# KiCad board element_foxtrot.kicad_pcb (continued)
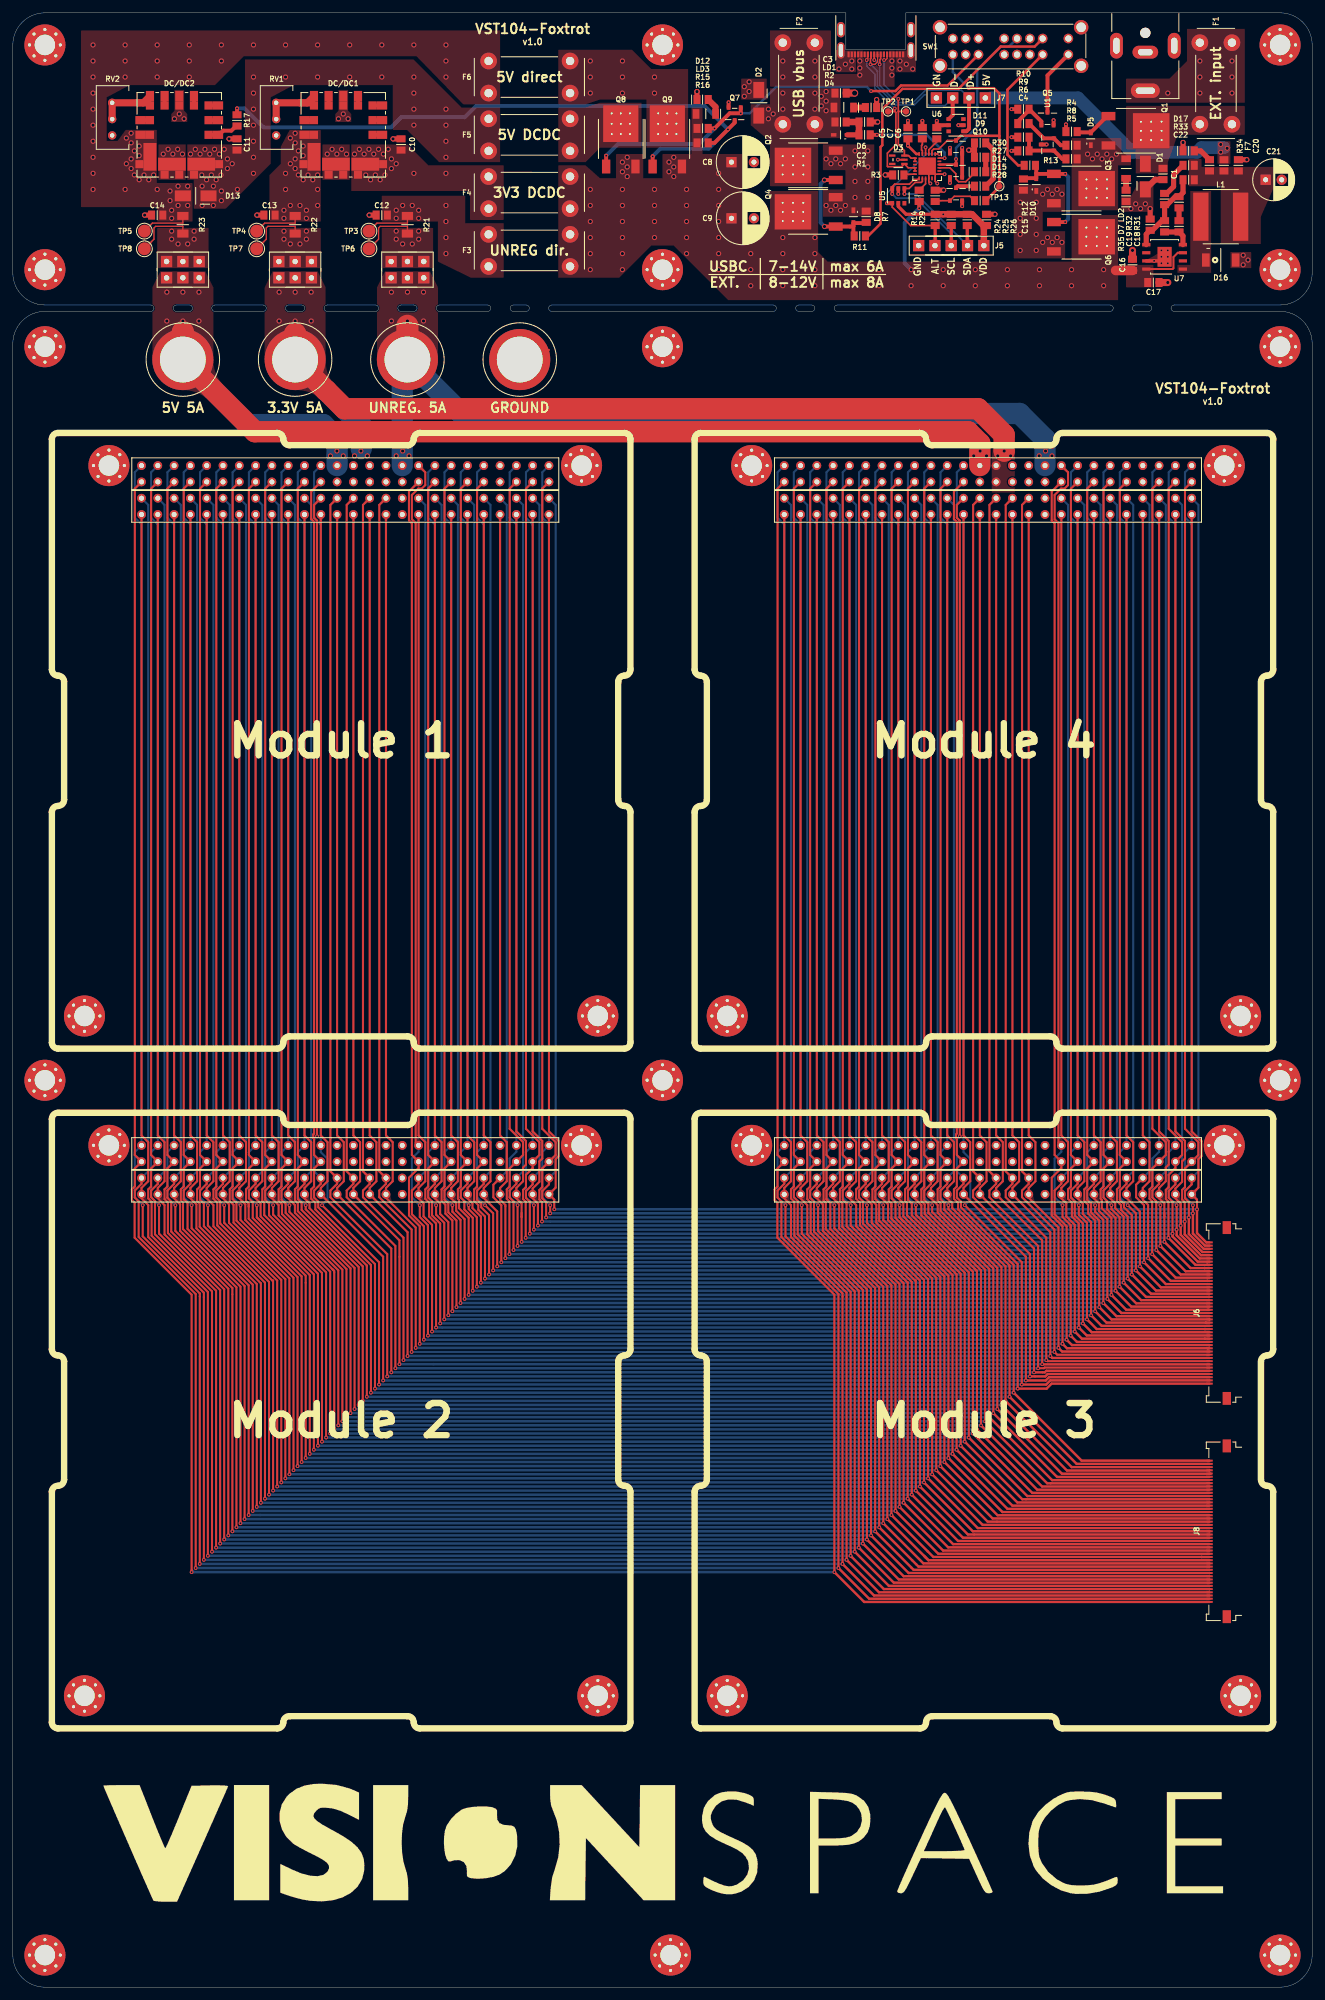
[diagram p0: board, top side]
## Copper pours and planes (outline as drawn; the poured copper is in the pictures) (continued)
/H1-30 on Top: 55.78,125.12 55.78,125.14 55.79,125.17 55.8,125.2 55.83,125.24 55.86,125.28 55.89,125.32 55.93,125.37 55.98,125.42 56.03,125.48 56.09,125.54 55.61,126.37 55.14,125.54 55.2,125.48 55.25,125.42 55.3,125.37 55.34,125.32 55.37,125.28 55.4,125.24 55.43,125.2 55.44,125.17 55.45,125.14 55.45,125.12
/H1-30 on Top: 54.84,230.9 54.91,230.96 54.97,231.02 55.05,231.07 55.12,231.11 55.19,231.14 55.27,231.17 55.35,231.2 55.44,231.21 55.52,231.22 55.61,231.22 55.86,232.15 54.93,231.9 54.93,231.81 54.92,231.73 54.91,231.64 54.88,231.56 54.85,231.48 54.82,231.41 54.78,231.34 54.73,231.26 54.67,231.2 54.61,231.13
/H1-30 on Top: 54.61,126.8 54.67,126.73 54.73,126.67 54.78,126.59 54.82,126.52 54.85,126.45 54.88,126.37 54.91,126.29 54.92,126.2 54.93,126.12 54.93,126.03 55.86,125.78 55.61,126.71 55.52,126.71 55.44,126.72 55.35,126.73 55.27,126.76 55.19,126.79 55.12,126.82 55.05,126.86 54.97,126.91 54.91,126.97 54.84,127.03
/H1-30 on Top: 155.95,125.12 155.95,125.14 155.96,125.17 155.97,125.2 156,125.24 156.03,125.28 156.06,125.32 156.1,125.37 156.15,125.42 156.2,125.48 156.26,125.54 155.78,126.37 155.31,125.54 155.37,125.48 155.42,125.42 155.47,125.37 155.51,125.32 155.54,125.28 155.57,125.24 155.6,125.2 155.61,125.17 155.62,125.14 155.62,125.12
/H1-31 on Top: 57.99,124.48 57.99,124.44 57.98,124.4 57.97,124.35 57.94,124.3 57.91,124.25 57.88,124.2 57.84,124.15 57.79,124.09 57.74,124.03 57.68,123.97 58.16,123.14 58.63,123.97 58.57,124.03 58.52,124.09 58.47,124.15 58.43,124.2 58.4,124.25 58.37,124.3 58.34,124.35 58.33,124.4 58.32,124.44 58.32,124.48
/H1-31 on Top: 58.32,228.11 58.32,228.2 58.33,228.29 58.34,228.37 58.37,228.45 58.4,228.53 58.43,228.61 58.47,228.68 58.52,228.75 58.57,228.81 58.63,228.88 58.16,229.71 57.68,228.88 57.74,228.81 57.79,228.75 57.84,228.68 57.88,228.61 57.91,228.53 57.94,228.45 57.97,228.37 57.98,228.29 57.99,228.2 57.99,228.11
/H1-31 on Top: 59.16,122.17 59.1,122.34 59.04,122.5 58.99,122.65 58.95,122.79 58.92,122.93 58.89,123.06 58.86,123.17 58.85,123.28 58.84,123.39 58.84,123.48 57.91,123.73 58.16,122.8 58.25,122.79 58.33,122.77 58.42,122.73 58.5,122.67 58.58,122.59 58.65,122.49 58.72,122.38 58.8,122.25 58.86,122.1 58.93,121.94
/H1-31 on Top: 158.49,228.11 158.49,228.2 158.5,228.29 158.51,228.37 158.54,228.45 158.57,228.53 158.6,228.61 158.64,228.68 158.69,228.75 158.74,228.81 158.8,228.88 158.32,229.71 157.85,228.88 157.91,228.81 157.96,228.75 158.01,228.68 158.05,228.61 158.08,228.53 158.11,228.45 158.14,228.37 158.15,228.29 158.16,228.2 158.16,228.11
/H1-31 on Top: 158.16,124.48 158.16,124.44 158.15,124.4 158.14,124.35 158.11,124.3 158.08,124.25 158.05,124.2 158.01,124.15 157.96,124.09 157.91,124.03 157.85,123.97 158.32,123.14 158.8,123.97 158.74,124.03 158.69,124.09 158.64,124.15 158.6,124.2 158.57,124.25 158.54,124.3 158.51,124.35 158.5,124.4 158.49,124.44 158.49,124.48
/H1-31 on Top: 159.33,122.17 159.27,122.34 159.21,122.5 159.16,122.65 159.12,122.79 159.09,122.93 159.06,123.06 159.03,123.17 159.02,123.28 159.01,123.39 159.01,123.48 158.08,123.73 158.33,122.8 158.42,122.79 158.5,122.77 158.59,122.73 158.67,122.67 158.75,122.59 158.82,122.49 158.89,122.38 158.97,122.25 159.03,122.1 159.1,121.94
/H1-32 on Top: 157.55,230.9 157.62,230.96 157.68,231.02 157.76,231.07 157.83,231.11 157.9,231.14 157.98,231.17 158.06,231.2 158.15,231.21 158.23,231.22 158.32,231.22 158.57,232.15 157.64,231.9 157.64,231.81 157.63,231.73 157.62,231.64 157.59,231.56 157.56,231.48 157.53,231.41 157.49,231.34 157.44,231.26 157.38,231.2 157.32,231.13
/H1-32 on Top: 157.32,126.8 157.38,126.73 157.44,126.67 157.49,126.59 157.53,126.52 157.56,126.45 157.59,126.37 157.62,126.29 157.63,126.2 157.64,126.12 157.64,126.03 158.57,125.78 158.32,126.71 158.23,126.71 158.15,126.72 158.06,126.73 157.98,126.76 157.9,126.79 157.83,126.82 157.76,126.86 157.68,126.91 157.62,126.97 157.55,127.03
/H1-32 on Top: 58.32,125.12 58.32,125.14 58.33,125.17 58.34,125.2 58.37,125.24 58.4,125.28 58.43,125.32 58.47,125.37 58.52,125.42 58.57,125.48 58.63,125.54 58.16,126.37 57.68,125.54 57.74,125.48 57.79,125.42 57.84,125.37 57.88,125.32 57.91,125.28 57.94,125.24 57.97,125.2 57.98,125.17 57.99,125.14 57.99,125.12
/H1-32 on Top: 57.38,230.9 57.45,230.96 57.51,231.02 57.59,231.07 57.66,231.11 57.73,231.14 57.81,231.17 57.89,231.2 57.98,231.21 58.06,231.22 58.15,231.22 58.4,232.15 57.47,231.9 57.47,231.81 57.46,231.73 57.45,231.64 57.42,231.56 57.39,231.48 57.36,231.41 57.32,231.34 57.27,231.26 57.21,231.2 57.15,231.13
/H1-32 on Top: 57.15,126.8 57.21,126.73 57.27,126.67 57.32,126.59 57.36,126.52 57.39,126.45 57.42,126.37 57.45,126.29 57.46,126.2 57.47,126.12 57.47,126.03 58.4,125.78 58.15,126.71 58.06,126.71 57.98,126.72 57.89,126.73 57.81,126.76 57.73,126.79 57.66,126.82 57.59,126.86 57.51,126.91 57.45,126.97 57.38,127.03
/H1-32 on Top: 158.49,125.12 158.49,125.14 158.5,125.17 158.51,125.2 158.54,125.24 158.57,125.28 158.6,125.32 158.64,125.37 158.69,125.42 158.74,125.48 158.8,125.54 158.32,126.37 157.85,125.54 157.91,125.48 157.96,125.42 158.01,125.37 158.05,125.32 158.08,125.28 158.11,125.24 158.14,125.2 158.15,125.17 158.16,125.14 158.16,125.12
/H1-35 on Top: 63.07,124.48 63.07,124.44 63.06,124.4 63.05,124.35 63.02,124.3 62.99,124.25 62.96,124.2 62.92,124.15 62.87,124.09 62.82,124.03 62.76,123.97 63.23,123.14 63.71,123.97 63.65,124.03 63.6,124.09 63.55,124.15 63.51,124.2 63.48,124.25 63.45,124.3 63.42,124.35 63.41,124.4 63.4,124.44 63.4,124.48
/H1-35 on Top: 63.4,228.11 63.4,228.2 63.41,228.29 63.42,228.37 63.45,228.45 63.48,228.53 63.51,228.61 63.55,228.68 63.6,228.75 63.65,228.81 63.71,228.88 63.23,229.71 62.76,228.88 62.82,228.81 62.87,228.75 62.92,228.68 62.96,228.61 62.99,228.53 63.02,228.45 63.05,228.37 63.06,228.29 63.07,228.2 63.07,228.11
/H1-35 on Top: 64.13,122.19 64.09,122.36 64.05,122.51 64.02,122.66 63.99,122.8 63.97,122.94 63.95,123.06 63.93,123.18 63.92,123.29 63.92,123.39 63.92,123.48 62.99,123.73 63.24,122.8 63.33,122.79 63.41,122.77 63.49,122.73 63.56,122.67 63.63,122.59 63.69,122.5 63.75,122.39 63.8,122.27 63.85,122.12 63.9,121.96
/H1-35 on Top: 164.3,122.19 164.26,122.36 164.22,122.51 164.19,122.66 164.16,122.8 164.14,122.94 164.12,123.06 164.1,123.18 164.09,123.29 164.09,123.39 164.09,123.48 163.16,123.73 163.41,122.8 163.5,122.79 163.58,122.77 163.66,122.73 163.73,122.67 163.8,122.59 163.86,122.5 163.92,122.39 163.97,122.27 164.02,122.12 164.07,121.96
/H1-35 on Top: 163.24,124.48 163.24,124.44 163.23,124.4 163.22,124.35 163.19,124.3 163.16,124.25 163.13,124.2 163.09,124.15 163.04,124.09 162.99,124.03 162.93,123.97 163.41,123.14 163.88,123.97 163.82,124.03 163.77,124.09 163.72,124.15 163.68,124.2 163.65,124.25 163.62,124.3 163.59,124.35 163.58,124.4 163.57,124.44 163.57,124.48
/H1-35 on Top: 163.57,228.11 163.57,228.2 163.58,228.29 163.59,228.37 163.62,228.45 163.65,228.53 163.68,228.61 163.72,228.68 163.77,228.75 163.82,228.81 163.88,228.88 163.41,229.71 162.93,228.88 162.99,228.81 163.04,228.75 163.09,228.68 163.13,228.61 163.16,228.53 163.19,228.45 163.22,228.37 163.23,228.29 163.24,228.2 163.24,228.11
/H1-36 on Top: 63.4,125.12 63.4,125.14 63.41,125.17 63.42,125.2 63.45,125.24 63.48,125.28 63.51,125.32 63.55,125.37 63.6,125.42 63.65,125.48 63.71,125.54 63.23,126.37 62.76,125.54 62.82,125.48 62.87,125.42 62.92,125.37 62.96,125.32 62.99,125.28 63.02,125.24 63.05,125.2 63.06,125.17 63.07,125.14 63.07,125.12
/H1-36 on Top: 163.57,125.12 163.57,125.14 163.58,125.17 163.59,125.2 163.62,125.24 163.65,125.28 163.68,125.32 163.72,125.37 163.77,125.42 163.82,125.48 163.88,125.54 163.41,126.37 162.93,125.54 162.99,125.48 163.04,125.42 163.09,125.37 163.13,125.32 163.16,125.28 163.19,125.24 163.22,125.2 163.23,125.17 163.24,125.14 163.24,125.12
/H1-36 on Bottom: 64.01,127.03 63.94,126.97 63.88,126.91 63.8,126.86 63.73,126.82 63.66,126.79 63.58,126.76 63.5,126.73 63.41,126.72 63.33,126.71 63.24,126.71 62.99,125.78 63.92,126.03 63.92,126.12 63.93,126.2 63.94,126.29 63.97,126.37 64,126.45 64.03,126.52 64.07,126.59 64.12,126.67 64.18,126.73 64.24,126.8
/H1-36 on Bottom: 64.24,231.13 64.18,231.2 64.12,231.26 64.07,231.34 64.03,231.41 64,231.48 63.97,231.56 63.94,231.64 63.93,231.73 63.92,231.81 63.92,231.9 62.99,232.15 63.24,231.22 63.33,231.22 63.41,231.21 63.5,231.2 63.58,231.17 63.66,231.14 63.73,231.11 63.8,231.07 63.88,231.02 63.94,230.96 64.01,230.9
/H1-36 on Bottom: 164.41,231.13 164.35,231.2 164.29,231.26 164.24,231.34 164.2,231.41 164.17,231.48 164.14,231.56 164.11,231.64 164.1,231.73 164.09,231.81 164.09,231.9 163.16,232.15 163.41,231.22 163.5,231.22 163.58,231.21 163.67,231.2 163.75,231.17 163.83,231.14 163.9,231.11 163.97,231.07 164.05,231.02 164.11,230.96 164.18,230.9
/H1-36 on Bottom: 164.18,127.03 164.11,126.97 164.05,126.91 163.97,126.86 163.9,126.82 163.83,126.79 163.75,126.76 163.67,126.73 163.58,126.72 163.5,126.71 163.41,126.71 163.16,125.78 164.09,126.03 164.09,126.12 164.1,126.2 164.11,126.29 164.14,126.37 164.17,126.45 164.2,126.52 164.24,126.59 164.29,126.67 164.35,126.73 164.41,126.8
/H1-37 on Top: 65.61,124.48 65.61,124.44 65.6,124.4 65.59,124.35 65.56,124.3 65.53,124.25 65.5,124.2 65.46,124.15 65.41,124.09 65.36,124.03 65.3,123.97 65.78,123.14 66.25,123.97 66.19,124.03 66.14,124.09 66.09,124.15 66.05,124.2 66.02,124.25 65.99,124.3 65.96,124.35 65.95,124.4 65.94,124.44 65.94,124.48
/H1-37 on Top: 65.94,228.11 65.94,228.2 65.95,228.29 65.96,228.37 65.99,228.45 66.02,228.53 66.05,228.61 66.09,228.68 66.14,228.75 66.19,228.81 66.25,228.88 65.78,229.71 65.3,228.88 65.36,228.81 65.41,228.75 65.46,228.68 65.5,228.61 65.53,228.53 65.56,228.45 65.59,228.37 65.6,228.29 65.61,228.2 65.61,228.11
/H1-37 on Top: 66.7,122.16 66.66,122.33 66.61,122.49 66.58,122.64 66.54,122.79 66.52,122.93 66.49,123.05 66.48,123.17 66.47,123.28 66.46,123.39 66.46,123.48 65.53,123.73 65.78,122.8 65.87,122.79 65.95,122.77 66.03,122.73 66.11,122.66 66.18,122.59 66.24,122.49 66.31,122.38 66.37,122.24 66.42,122.09 66.48,121.93
/H1-37 on Top: 166.87,122.16 166.83,122.33 166.78,122.49 166.75,122.64 166.71,122.79 166.69,122.93 166.66,123.05 166.65,123.17 166.64,123.28 166.63,123.39 166.63,123.48 165.7,123.73 165.95,122.8 166.04,122.79 166.12,122.77 166.2,122.73 166.28,122.66 166.35,122.59 166.41,122.49 166.48,122.38 166.54,122.24 166.59,122.09 166.65,121.93
/H1-37 on Top: 165.78,124.48 165.78,124.44 165.77,124.4 165.76,124.35 165.73,124.3 165.7,124.25 165.67,124.2 165.63,124.15 165.58,124.09 165.53,124.03 165.47,123.97 165.94,123.14 166.42,123.97 166.36,124.03 166.31,124.09 166.26,124.15 166.22,124.2 166.19,124.25 166.16,124.3 166.13,124.35 166.12,124.4 166.11,124.44 166.11,124.48
/H1-37 on Top: 166.11,228.11 166.11,228.2 166.12,228.29 166.13,228.37 166.16,228.45 166.19,228.53 166.22,228.61 166.26,228.68 166.31,228.75 166.36,228.81 166.42,228.88 165.94,229.71 165.47,228.88 165.53,228.81 165.58,228.75 165.63,228.68 165.67,228.61 165.7,228.53 165.73,228.45 165.76,228.37 165.77,228.29 165.78,228.2 165.78,228.11
/H1-38 on Top: 65.94,125.12 65.94,125.14 65.95,125.17 65.96,125.2 65.99,125.24 66.02,125.28 66.05,125.32 66.09,125.37 66.14,125.42 66.19,125.48 66.25,125.54 65.78,126.37 65.3,125.54 65.36,125.48 65.41,125.42 65.46,125.37 65.5,125.32 65.53,125.28 65.56,125.24 65.59,125.2 65.6,125.17 65.61,125.14 65.61,125.12
/H1-38 on Top: 166.11,125.12 166.11,125.14 166.12,125.17 166.13,125.2 166.16,125.24 166.19,125.28 166.22,125.32 166.26,125.37 166.31,125.42 166.36,125.48 166.42,125.54 165.94,126.37 165.47,125.54 165.53,125.48 165.58,125.42 165.63,125.37 165.67,125.32 165.7,125.28 165.73,125.24 165.76,125.2 165.77,125.17 165.78,125.14 165.78,125.12
/H1-38 on Bottom: 66.55,127.03 66.48,126.97 66.42,126.91 66.34,126.86 66.27,126.82 66.2,126.79 66.12,126.76 66.04,126.73 65.95,126.72 65.87,126.71 65.78,126.71 65.53,125.78 66.46,126.03 66.46,126.12 66.47,126.2 66.48,126.29 66.51,126.37 66.54,126.45 66.57,126.52 66.61,126.59 66.66,126.67 66.72,126.73 66.78,126.8
/H1-38 on Bottom: 66.78,231.13 66.72,231.2 66.66,231.26 66.61,231.34 66.57,231.41 66.54,231.48 66.51,231.56 66.48,231.64 66.47,231.73 66.46,231.81 66.46,231.9 65.53,232.15 65.78,231.22 65.87,231.22 65.95,231.21 66.04,231.2 66.12,231.17 66.2,231.14 66.27,231.11 66.34,231.07 66.42,231.02 66.48,230.96 66.55,230.9
/H1-38 on Bottom: 166.95,231.13 166.89,231.2 166.83,231.26 166.78,231.34 166.74,231.41 166.71,231.48 166.68,231.56 166.65,231.64 166.64,231.73 166.63,231.81 166.63,231.9 165.7,232.15 165.95,231.22 166.04,231.22 166.12,231.21 166.21,231.2 166.29,231.17 166.37,231.14 166.44,231.11 166.51,231.07 166.59,231.02 166.65,230.96 166.72,230.9
/H1-38 on Bottom: 166.72,127.03 166.65,126.97 166.59,126.91 166.51,126.86 166.44,126.82 166.37,126.79 166.29,126.76 166.21,126.73 166.12,126.72 166.04,126.71 165.95,126.71 165.7,125.78 166.63,126.03 166.63,126.12 166.64,126.2 166.65,126.29 166.68,126.37 166.71,126.45 166.74,126.52 166.78,126.59 166.83,126.67 166.89,126.73 166.95,126.8
/H1-39 on Top: 68.15,124.48 68.15,124.44 68.14,124.4 68.13,124.35 68.1,124.3 68.07,124.25 68.04,124.2 68,124.15 67.95,124.09 67.9,124.03 67.84,123.97 68.31,123.14 68.79,123.97 68.73,124.03 68.68,124.09 68.63,124.15 68.59,124.2 68.56,124.25 68.53,124.3 68.5,124.35 68.49,124.4 68.48,124.44 68.48,124.48
/H1-39 on Top: 68.48,228.11 68.48,228.2 68.49,228.29 68.5,228.37 68.53,228.45 68.56,228.53 68.59,228.61 68.63,228.68 68.68,228.75 68.73,228.81 68.79,228.88 68.31,229.71 67.84,228.88 67.9,228.81 67.95,228.75 68,228.68 68.04,228.61 68.07,228.53 68.1,228.45 68.13,228.37 68.14,228.29 68.15,228.2 68.15,228.11
/H1-39 on Top: 69.21,122.19 69.17,122.36 69.13,122.51 69.1,122.66 69.07,122.8 69.05,122.94 69.03,123.06 69.01,123.18 69,123.29 69,123.39 69,123.48 68.07,123.73 68.32,122.8 68.41,122.79 68.49,122.77 68.57,122.73 68.64,122.67 68.71,122.59 68.77,122.5 68.83,122.39 68.88,122.27 68.93,122.12 68.98,121.96
/H1-39 on Top: 169.38,122.19 169.34,122.36 169.3,122.51 169.27,122.66 169.24,122.8 169.22,122.94 169.2,123.06 169.18,123.18 169.17,123.29 169.17,123.39 169.17,123.48 168.24,123.73 168.49,122.8 168.58,122.79 168.66,122.77 168.74,122.73 168.81,122.67 168.88,122.59 168.94,122.5 169,122.39 169.05,122.27 169.1,122.12 169.15,121.96
/H1-39 on Top: 168.65,228.11 168.65,228.2 168.66,228.29 168.67,228.37 168.7,228.45 168.73,228.53 168.76,228.61 168.8,228.68 168.85,228.75 168.9,228.81 168.96,228.88 168.49,229.71 168.01,228.88 168.07,228.81 168.12,228.75 168.17,228.68 168.21,228.61 168.24,228.53 168.27,228.45 168.3,228.37 168.31,228.29 168.32,228.2 168.32,228.11
/H1-39 on Top: 168.32,124.48 168.32,124.44 168.31,124.4 168.3,124.35 168.27,124.3 168.24,124.25 168.21,124.2 168.17,124.15 168.12,124.09 168.07,124.03 168.01,123.97 168.49,123.14 168.96,123.97 168.9,124.03 168.85,124.09 168.8,124.15 168.76,124.2 168.73,124.25 168.7,124.3 168.67,124.35 168.66,124.4 168.65,124.44 168.65,124.48
/H1-40 on Top: 68.48,125.12 68.48,125.14 68.49,125.17 68.5,125.2 68.53,125.24 68.56,125.28 68.59,125.32 68.63,125.37 68.68,125.42 68.73,125.48 68.79,125.54 68.31,126.37 67.84,125.54 67.9,125.48 67.95,125.42 68,125.37 68.04,125.32 68.07,125.28 68.1,125.24 68.13,125.2 68.14,125.17 68.15,125.14 68.15,125.12
/H1-40 on Top: 168.65,125.12 168.65,125.14 168.66,125.17 168.67,125.2 168.7,125.24 168.73,125.28 168.76,125.32 168.8,125.37 168.85,125.42 168.9,125.48 168.96,125.54 168.49,126.37 168.01,125.54 168.07,125.48 168.12,125.42 168.17,125.37 168.21,125.32 168.24,125.28 168.27,125.24 168.3,125.2 168.31,125.17 168.32,125.14 168.32,125.12
/H1-40 on Bottom: 69.32,231.13 69.26,231.2 69.2,231.26 69.15,231.34 69.11,231.41 69.08,231.48 69.05,231.56 69.02,231.64 69.01,231.73 69,231.81 69,231.9 68.07,232.15 68.32,231.22 68.41,231.22 68.49,231.21 68.58,231.2 68.66,231.17 68.74,231.14 68.81,231.11 68.88,231.07 68.96,231.02 69.02,230.96 69.09,230.9
/H1-40 on Bottom: 69.09,127.03 69.02,126.97 68.96,126.91 68.88,126.86 68.81,126.82 68.74,126.79 68.66,126.76 68.58,126.73 68.49,126.72 68.41,126.71 68.32,126.71 68.07,125.78 69,126.03 69,126.12 69.01,126.2 69.02,126.29 69.05,126.37 69.08,126.45 69.11,126.52 69.15,126.59 69.2,126.67 69.26,126.73 69.32,126.8
/H1-40 on Bottom: 169.49,231.13 169.43,231.2 169.37,231.26 169.32,231.34 169.28,231.41 169.25,231.48 169.22,231.56 169.19,231.64 169.18,231.73 169.17,231.81 169.17,231.9 168.24,232.15 168.49,231.22 168.58,231.22 168.66,231.21 168.75,231.2 168.83,231.17 168.91,231.14 168.98,231.11 169.05,231.07 169.13,231.02 169.19,230.96 169.26,230.9
/H1-40 on Bottom: 169.26,127.03 169.19,126.97 169.13,126.91 169.05,126.86 168.98,126.82 168.91,126.79 168.83,126.76 168.75,126.73 168.66,126.72 168.58,126.71 168.49,126.71 168.24,125.78 169.17,126.03 169.17,126.12 169.18,126.2 169.19,126.29 169.22,126.37 169.25,126.45 169.28,126.52 169.32,126.59 169.37,126.67 169.43,126.73 169.49,126.8
/H1-41 on Top: 70.69,124.48 70.69,124.44 70.68,124.4 70.67,124.35 70.64,124.3 70.61,124.25 70.58,124.2 70.54,124.15 70.49,124.09 70.44,124.03 70.38,123.97 70.86,123.14 71.33,123.97 71.27,124.03 71.22,124.09 71.17,124.15 71.13,124.2 71.1,124.25 71.07,124.3 71.04,124.35 71.03,124.4 71.02,124.44 71.02,124.48
/H1-41 on Top: 71.02,228.11 71.02,228.2 71.03,228.29 71.04,228.37 71.07,228.45 71.1,228.53 71.13,228.61 71.17,228.68 71.22,228.75 71.27,228.81 71.33,228.88 70.86,229.71 70.38,228.88 70.44,228.81 70.49,228.75 70.54,228.68 70.58,228.61 70.61,228.53 70.64,228.45 70.67,228.37 70.68,228.29 70.69,228.2 70.69,228.11
/H1-41 on Top: 71.75,122.19 71.71,122.36 71.67,122.51 71.64,122.66 71.61,122.8 71.59,122.94 71.57,123.06 71.55,123.18 71.54,123.29 71.54,123.39 71.54,123.48 70.61,123.73 70.86,122.8 70.95,122.79 71.03,122.77 71.11,122.73 71.18,122.67 71.25,122.59 71.31,122.5 71.37,122.39 71.42,122.27 71.47,122.12 71.52,121.96
/H1-41 on Top: 171.92,122.19 171.88,122.36 171.84,122.51 171.81,122.66 171.78,122.8 171.76,122.94 171.74,123.06 171.72,123.18 171.71,123.29 171.71,123.39 171.71,123.48 170.78,123.73 171.03,122.8 171.12,122.79 171.2,122.77 171.28,122.73 171.35,122.67 171.42,122.59 171.48,122.5 171.54,122.39 171.59,122.27 171.64,122.12 171.69,121.96
/H1-41 on Top: 171.19,228.11 171.19,228.2 171.2,228.29 171.21,228.37 171.24,228.45 171.27,228.53 171.3,228.61 171.34,228.68 171.39,228.75 171.44,228.81 171.5,228.88 171.03,229.71 170.55,228.88 170.61,228.81 170.66,228.75 170.71,228.68 170.75,228.61 170.78,228.53 170.81,228.45 170.84,228.37 170.85,228.29 170.86,228.2 170.86,228.11
/H1-41 on Top: 170.86,124.48 170.86,124.44 170.85,124.4 170.84,124.35 170.81,124.3 170.78,124.25 170.75,124.2 170.71,124.15 170.66,124.09 170.61,124.03 170.55,123.97 171.03,123.14 171.5,123.97 171.44,124.03 171.39,124.09 171.34,124.15 171.3,124.2 171.27,124.25 171.24,124.3 171.21,124.35 171.2,124.4 171.19,124.44 171.19,124.48
/H1-42 on Top: 71.02,125.12 71.02,125.14 71.03,125.17 71.04,125.2 71.07,125.24 71.1,125.28 71.13,125.32 71.17,125.37 71.22,125.42 71.27,125.48 71.33,125.54 70.86,126.37 70.38,125.54 70.44,125.48 70.49,125.42 70.54,125.37 70.58,125.32 70.61,125.28 70.64,125.24 70.67,125.2 70.68,125.17 70.69,125.14 70.69,125.12
/H1-42 on Top: 171.19,125.12 171.19,125.14 171.2,125.17 171.21,125.2 171.24,125.24 171.27,125.28 171.3,125.32 171.34,125.37 171.39,125.42 171.44,125.48 171.5,125.54 171.03,126.37 170.55,125.54 170.61,125.48 170.66,125.42 170.71,125.37 170.75,125.32 170.78,125.28 170.81,125.24 170.84,125.2 170.85,125.17 170.86,125.14 170.86,125.12
/H1-42 on Bottom: 71.63,127.03 71.56,126.97 71.5,126.91 71.42,126.86 71.35,126.82 71.28,126.79 71.2,126.76 71.12,126.73 71.03,126.72 70.95,126.71 70.86,126.71 70.61,125.78 71.54,126.03 71.54,126.12 71.55,126.2 71.56,126.29 71.59,126.37 71.62,126.45 71.65,126.52 71.69,126.59 71.74,126.67 71.8,126.73 71.86,126.8
/H1-42 on Bottom: 71.86,231.13 71.8,231.2 71.74,231.26 71.69,231.34 71.65,231.41 71.62,231.48 71.59,231.56 71.56,231.64 71.55,231.73 71.54,231.81 71.54,231.9 70.61,232.15 70.86,231.22 70.95,231.22 71.03,231.21 71.12,231.2 71.2,231.17 71.28,231.14 71.35,231.11 71.42,231.07 71.5,231.02 71.56,230.96 71.63,230.9
/H1-42 on Bottom: 171.8,127.03 171.73,126.97 171.67,126.91 171.59,126.86 171.52,126.82 171.45,126.79 171.37,126.76 171.29,126.73 171.2,126.72 171.12,126.71 171.03,126.71 170.78,125.78 171.71,126.03 171.71,126.12 171.72,126.2 171.73,126.29 171.76,126.37 171.79,126.45 171.82,126.52 171.86,126.59 171.91,126.67 171.97,126.73 172.03,126.8
/H1-42 on Bottom: 172.03,231.13 171.97,231.2 171.91,231.26 171.86,231.34 171.82,231.41 171.79,231.48 171.76,231.56 171.73,231.64 171.72,231.73 171.71,231.81 171.71,231.9 170.78,232.15 171.03,231.22 171.12,231.22 171.2,231.21 171.29,231.2 171.37,231.17 171.45,231.14 171.52,231.11 171.59,231.07 171.67,231.02 171.73,230.96 171.8,230.9
/H1-43 on Top: 73.23,124.48 73.23,124.44 73.22,124.4 73.21,124.35 73.18,124.3 73.15,124.25 73.12,124.2 73.08,124.15 73.03,124.09 72.98,124.03 72.92,123.97 73.39,123.14 73.87,123.97 73.81,124.03 73.76,124.09 73.71,124.15 73.67,124.2 73.64,124.25 73.61,124.3 73.58,124.35 73.57,124.4 73.56,124.44 73.56,124.48
/H1-43 on Top: 73.56,228.11 73.56,228.2 73.57,228.29 73.58,228.37 73.61,228.45 73.64,228.53 73.67,228.61 73.71,228.68 73.76,228.75 73.81,228.81 73.87,228.88 73.39,229.71 72.92,228.88 72.98,228.81 73.03,228.75 73.08,228.68 73.12,228.61 73.15,228.53 73.18,228.45 73.21,228.37 73.22,228.29 73.23,228.2 73.23,228.11
/H1-43 on Top: 74.4,122.13 74.34,122.31 74.28,122.48 74.23,122.63 74.19,122.78 74.16,122.92 74.13,123.05 74.1,123.17 74.09,123.28 74.08,123.39 74.08,123.48 73.15,123.73 73.4,122.8 73.49,122.79 73.57,122.77 73.66,122.72 73.74,122.66 73.82,122.58 73.89,122.48 73.96,122.37 74.04,122.23 74.1,122.08 74.17,121.91
/H1-43 on Top: 173.4,124.48 173.4,124.44 173.39,124.4 173.38,124.35 173.35,124.3 173.32,124.25 173.29,124.2 173.25,124.15 173.2,124.09 173.15,124.03 173.09,123.97 173.56,123.14 174.04,123.97 173.98,124.03 173.93,124.09 173.88,124.15 173.84,124.2 173.81,124.25 173.78,124.3 173.75,124.35 173.74,124.4 173.73,124.44 173.73,124.48
/H1-43 on Top: 173.73,228.11 173.73,228.2 173.74,228.29 173.75,228.37 173.78,228.45 173.81,228.53 173.84,228.61 173.88,228.68 173.93,228.75 173.98,228.81 174.04,228.88 173.56,229.71 173.09,228.88 173.15,228.81 173.2,228.75 173.25,228.68 173.29,228.61 173.32,228.53 173.35,228.45 173.38,228.37 173.39,228.29 173.4,228.2 173.4,228.11
/H1-43 on Top: 174.57,122.13 174.51,122.31 174.45,122.48 174.4,122.63 174.36,122.78 174.33,122.92 174.3,123.05 174.27,123.17 174.26,123.28 174.25,123.39 174.25,123.48 173.32,123.73 173.57,122.8 173.66,122.79 173.74,122.77 173.83,122.72 173.91,122.66 173.99,122.58 174.06,122.48 174.13,122.37 174.21,122.23 174.27,122.08 174.34,121.91
/H1-44 on Top: 73.56,125.12 73.56,125.14 73.57,125.17 73.58,125.2 73.61,125.24 73.64,125.28 73.67,125.32 73.71,125.37 73.76,125.42 73.81,125.48 73.87,125.54 73.39,126.37 72.92,125.54 72.98,125.48 73.03,125.42 73.08,125.37 73.12,125.32 73.15,125.28 73.18,125.24 73.21,125.2 73.22,125.17 73.23,125.14 73.23,125.12
/H1-44 on Top: 173.73,125.12 173.73,125.14 173.74,125.17 173.75,125.2 173.78,125.24 173.81,125.28 173.84,125.32 173.88,125.37 173.93,125.42 173.98,125.48 174.04,125.54 173.56,126.37 173.09,125.54 173.15,125.48 173.2,125.42 173.25,125.37 173.29,125.32 173.32,125.28 173.35,125.24 173.38,125.2 173.39,125.17 173.4,125.14 173.4,125.12
/H1-44 on Bottom: 74.4,231.13 74.34,231.2 74.28,231.26 74.23,231.34 74.19,231.41 74.16,231.48 74.13,231.56 74.1,231.64 74.09,231.73 74.08,231.81 74.08,231.9 73.15,232.15 73.4,231.22 73.49,231.22 73.57,231.21 73.66,231.2 73.74,231.17 73.82,231.14 73.89,231.11 73.96,231.07 74.04,231.02 74.1,230.96 74.17,230.9
/H1-44 on Bottom: 74.17,127.03 74.1,126.97 74.04,126.91 73.96,126.86 73.89,126.82 73.82,126.79 73.74,126.76 73.66,126.73 73.57,126.72 73.49,126.71 73.4,126.71 73.15,125.78 74.08,126.03 74.08,126.12 74.09,126.2 74.1,126.29 74.13,126.37 74.16,126.45 74.19,126.52 74.23,126.59 74.28,126.67 74.34,126.73 74.4,126.8
/H1-44 on Bottom: 174.34,127.03 174.27,126.97 174.21,126.91 174.13,126.86 174.06,126.82 173.99,126.79 173.91,126.76 173.83,126.73 173.74,126.72 173.66,126.71 173.57,126.71 173.32,125.78 174.25,126.03 174.25,126.12 174.26,126.2 174.27,126.29 174.3,126.37 174.33,126.45 174.36,126.52 174.4,126.59 174.45,126.67 174.51,126.73 174.57,126.8
/H1-44 on Bottom: 174.57,231.13 174.51,231.2 174.45,231.26 174.4,231.34 174.36,231.41 174.33,231.48 174.3,231.56 174.27,231.64 174.26,231.73 174.25,231.81 174.25,231.9 173.32,232.15 173.57,231.22 173.66,231.22 173.74,231.21 173.83,231.2 173.91,231.17 173.99,231.14 174.06,231.11 174.13,231.07 174.21,231.02 174.27,230.96 174.34,230.9
/H1-45 on Top: 75.77,124.48 75.77,124.44 75.76,124.4 75.75,124.35 75.72,124.3 75.69,124.25 75.66,124.2 75.62,124.15 75.57,124.09 75.52,124.03 75.46,123.97 75.94,123.14 76.41,123.97 76.35,124.03 76.3,124.09 76.25,124.15 76.21,124.2 76.18,124.25 76.15,124.3 76.12,124.35 76.11,124.4 76.1,124.44 76.1,124.48
/H1-45 on Top: 76.1,228.11 76.1,228.2 76.11,228.29 76.12,228.37 76.15,228.45 76.18,228.53 76.21,228.61 76.25,228.68 76.3,228.75 76.35,228.81 76.41,228.88 75.94,229.71 75.46,228.88 75.52,228.81 75.57,228.75 75.62,228.68 75.66,228.61 75.69,228.53 75.72,228.45 75.75,228.37 75.76,228.29 75.77,228.2 75.77,228.11